# KiCad board s100_ColorMagic-1.1-003.kicad_pcb (continued)
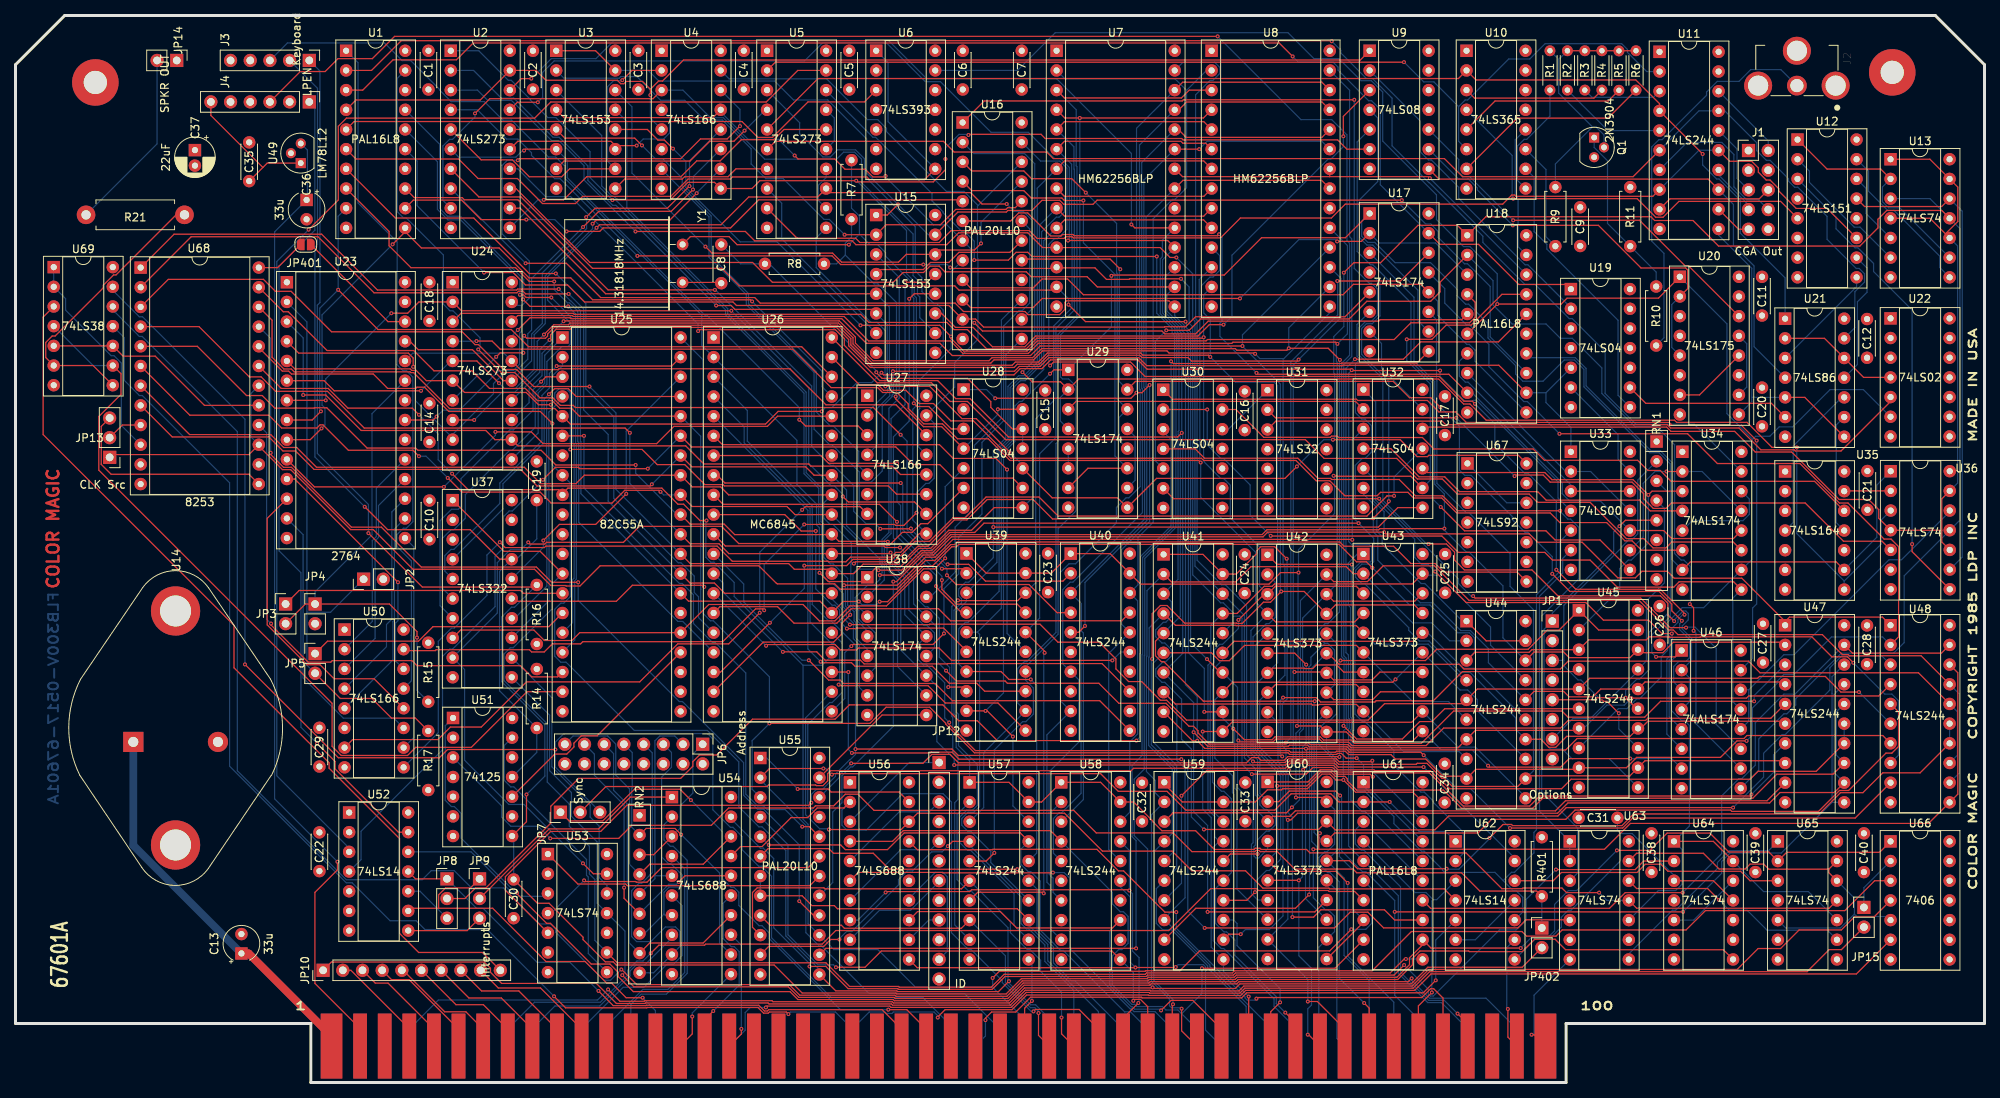
[diagram p0: board, top side]
## Routing (per net, layer and track width the routed paths; a pad name or vN(x,y) marks a point on that pad's centre or on a via; arc(x,y) is an arc through that point) (continued)
MDO10: length 257.3
  Component w0.152: v1(157.75,44.14) 157.93,43.96 162.23,43.96 162.59,44.32 168.21,44.32 168.61,43.92 171.96,43.92 172.4,43.48 181.97,43.48 184.23,45.74 199.31,45.74 200.3,46.73 210.28,46.73 210.56,47.01 226.43,47.01 U47.5 ; U41.14 155.43,52.91 v1(153.7,54.64) ; U7.13 133.89,102.26 121.71,102.26 121.16,102.81 93.36,102.81 91.1,105.07 74.43,105.07 65.22,114.29 59.78,114.29 U2.7 ; v1(135.84,100.39) 138.03,98.2 v1(150.94,98.2)
  Copper w0.152: 161.53,23.55 160.26,23.55 159.43,24.38 159.43,30.74 159.65,30.96 159.65,36.04 157.64,38.05 157.64,44.14 ; U7.13 135.84,101.14 v1(135.84,100.39) ; U41.14 157.64,51 157.64,44.14 ; 157.64,44.14 v1(157.75,44.14) ; v1(153.7,54.64) 151.58,56.77 151.58,96.87 151.05,97.4 151.05,98.09 v1(150.94,98.2)
MDO11: length 264.8
  Component w0.152: v1(157.09,45.67) 158.52,44.24 162.11,44.24 162.47,44.6 168.32,44.6 168.72,44.2 172.29,44.2 172.73,43.76 181.35,43.76 185.52,47.93 199.49,47.93 200.28,47.15 210.16,47.15 212.21,49.2 v1(224.28,49.2) ; U41.12 v1(153.35,47.84) ; U7.15 148.79,100.88 135.58,100.88 135.38,100.69 135.38,99.78 134.7,99.1 130.61,99.1 130.22,99.5 122.29,99.5 121.21,100.58 96.07,100.58 95.35,101.3 75.49,101.3 71.06,105.72 v1(65.81,105.72)
  Copper w0.152: U41.12 155.72,47.04 v1(157.09,45.67) 157.28,45.48 157.28,37.99 157.56,37.7 157.56,24.97 U60.8 ; U7.15 149.54,98.95 150.77,97.72 150.77,97.29 151.3,96.75 151.3,55.48 153.35,53.43 v1(153.35,47.84) ; U47.3 224.28,49.94 v1(224.28,49.2) ; U2.8 65.8,105.72 v1(65.81,105.72)
MDO12: length 279.1
  Component w0.152: U48.9 237.32,34.13 208.61,34.13 207.32,32.84 v1(192.79,32.84) ; U7.16 139.55,102.67 138.23,104 131.02,104 130.39,104.63 119.88,104.63 119.15,105.36 117.96,105.36 117.14,104.54 114.5,104.54 113.24,103.28 97.64,103.28 95.08,105.83 74.1,105.83 64.55,115.38 U2.13 ; U41.9 151.84,44.09 v1(152.44,44.09) 153.42,43.11 166.44,43.11 v1(166.47,43.08) 166.51,43.04 171.65,43.04 172.07,42.62 181.28,42.62 v1(181.66,42.24)
  Copper w0.152: v1(166.47,43.08) 166.56,42.99 166.56,40.07 166.41,39.92 166.41,23.74 U60.13 ; v1(152.44,44.09) 152.44,49.81 150.93,51.32 150.93,96.59 150.47,97.04 150.47,97.62 148.53,99.56 148.53,101.66 U7.16 ; v1(181.66,42.24) 185.94,37.95 187.68,37.95 v1(192.79,32.84)
MDO13: length 298.6
  Component w0.152: v1(88.05,96.98) 88.24,97.16 105.76,97.16 106.92,96.01 106.92,95.14 111.47,90.58 118.97,90.58 121.29,88.26 123.14,88.26 128.09,83.31 149.92,83.31 v1(150.45,83.84) ; v1(151.98,45.21) 153.79,43.39 164.21,43.39 164.35,43.54 166.66,43.54 166.88,43.33 171.76,43.33 172.17,42.92 199.97,42.92 201.45,44.39 222.97,44.39 223.35,44.78 240.87,44.78 U48.7 ; v1(153.78,22.02) 167.61,22.02 169.15,23.55
  Copper w0.152: U7.17 148.25,103.92 148.25,99.44 150.12,97.57 150.12,96.99 150.45,96.67 v1(150.45,83.84) 150.57,83.71 150.57,55.39 U41.7 151.98,49.04 v1(151.98,45.21) 151.98,34.97 153.78,33.16 v1(153.78,22.02) ; v1(88.05,96.98) 88.05,97.89 71.61,114.33 68.39,114.33 64.8,117.92 U2.14
MDO14: length 290.6
  Component w0.152: v1(167.6,49.21) 153.23,49.21 148.13,54.31 147.82,54.31 147.06,55.08 147.06,56.95 U41.5 ; U60.17 170.17,32.2 188.65,32.2 190.42,33.97 199.99,33.97 201.18,35.16 221.23,35.16 221.41,34.99 232.59,34.99 235.29,37.69 236.47,37.69 241.29,42.5 242.04,42.5 242.93,43.39 242.93,47.81 U48.5 ; U7.18 148.63,108.66 v1(135.77,108.66) ; U2.17 64.75,126.51 v1(67.38,126.51)
  Copper w0.152: U7.18 149.54,107.75 147.97,106.18 147.97,99.33 149.84,97.45 149.84,96.88 150.09,96.63 150.09,84.12 149.99,84.03 149.99,83.64 150.26,83.37 150.26,60.15 U41.5 ; v1(67.38,126.51) 68,127.13 68,130.36 69.48,131.84 101.78,131.84 104.11,134.17 112.36,134.17 117.36,129.17 119.31,129.17 125.86,122.62 130.66,122.62 134.05,119.23 134.81,119.23 135.94,118.09 135.94,108.83 v1(135.77,108.66) ; U60.17 168.61,31.17 167.52,32.26 167.52,49.13 v1(167.6,49.21)
MDO15: length 293
  Component w0.152: v1(143.95,110.74) 144.39,110.3 U7.19 ; v1(153.31,32.66) 168.09,32.66 169.15,33.71 170.25,32.61 183.1,32.61 184.89,34.39 198.97,34.39 200.05,35.48 v1(221.57,35.48) ; v1(66.54,129.56) 65.25,129.56 U2.18
  Copper w0.152: v1(143.95,110.74) 143.95,119.9 134.32,129.53 117.56,129.53 112.6,134.49 77.24,134.49 74.88,132.14 69.12,132.14 v1(66.54,129.56) ; U7.19 147.95,108.7 147.95,106.56 147.68,106.29 147.68,99.22 149.56,97.34 149.56,96.76 149.8,96.52 149.8,92.77 149.71,92.67 149.71,83.53 149.97,83.27 149.97,64.94 U41.3 149.11,62.07 149.11,60.12 148.38,59.39 148.06,59.39 147.08,58.41 147.08,57.54 147.9,56.72 148.25,56.72 149.11,55.87 149.11,55.04 148.38,54.31 148.04,54.31 147.09,53.36 147.09,52.45 147.9,51.65 148.26,51.65 150.42,49.48 150.42,44.3 151.69,43.03 151.69,34.28 v1(153.31,32.66) ; v1(221.57,35.48) 225.5,39.41 225.5,42.49 227.92,44.91 228.3,44.91 234.05,50.66 234.05,53.52 235.56,55.03 240.78,55.03 U48.3
MEMCS: length 309.3
  Component w0.152: v1(206.58,29.96) 210.83,29.96 213.06,32.19 218.58,32.19 221.01,29.75 226.17,29.75 U65.2 228.47,29.71 240.47,29.71 U66.1 ; 181.84,18.11 179.83,16.09 179.83,15.21 178.19,13.58 157.6,13.58 157.32,13.3 146.27,13.3 146.09,13.12 129.88,13.12 127.88,11.12 113.6,11.12 113.45,11.27 101.17,11.27 99.8,12.63 80.14,12.63 78.19,14.59 v1(78.15,14.59) ; 181.84,18.11 U61.12 ; 181.84,18.11 182.6,17.35 v1(194.18,17.35)
  Copper w0.152: v1(78.15,14.59) 76.76,13.2 75.89,13.2 69.69,19.4 69.69,19.8 69.03,20.46 67.61,20.46 62.95,25.11 58.82,25.11 56.6,27.34 53.63,27.34 52.46,26.17 42.67,26.17 28.61,40.23 28.61,84.01 16.34,96.28 15.97,96.28 12.55,99.7 U69.12 ; v1(206.58,29.96) 201.39,24.77 200.32,24.77 198.54,22.99 198.54,19.58 197.74,18.77 195.6,18.77 v1(194.18,17.35)
MUX_G: length 20.6
  Component w0.152: U5.7 92.94,117.92 91.92,116.89 86.3,116.89 86.01,116.6 78.59,116.6 77.37,115.38
MUX_I: length 47.7
  Copper w0.152: U15.9 119.68,95.21 119.68,99.69 118.84,100.53 118.47,100.53 116.93,102.07 116.93,103.87 116.07,104.73 116.07,110.45 109.52,117 109.52,119.21 108.36,120.37 106.04,120.37 105.12,119.45 104.15,119.45 101.15,122.45 101.15,123.87 U5.3
MUX_R: length 30.4
  Component w0.152: U3.7 70.76,118.92 87.01,118.92 89.57,121.48 92.68,121.48 v1(94.05,122.85)
  Copper w0.152: v1(94.05,122.85) 96.73,125.53 U5.4
MUXA: length 72.6
  Component w0.152: v1(89,107.88) 89.85,107.03 105.4,107.03 106.57,105.87 113.9,105.87 114.91,106.88 U15.14 119.21,107.44 123.7,107.44 v1(124.55,108.29)
  Copper w0.152: U16.21 124.55,111.03 v1(124.55,108.29) ; 77.37,128.07 79.52,125.93 79.52,117.37 v1(89,107.88)
MUXB: length 71.9
  Component w0.152: v1(106.95,109.42) U15.2 112.31,110.7 119.31,110.7 121.29,112.68 127.76,112.68 127.98,112.9 128.97,112.9 U16.20
  Copper w0.152: v1(106.95,109.42) 104.98,111.39 104.29,111.39 99.03,116.64 96.79,116.64 94.9,118.54 94.9,120.51 91.18,124.22 88.87,124.22 86.33,126.76 83.22,126.76 80.17,129.82 78.08,129.82 77.87,129.61 70.76,129.61 U3.2
MUXBLUE: length 24.5
  Copper w0.152: U15.7 98.84,108.9 98.84,113.49 U5.8
NEW_RESET: length 166.7
  Component w0.152: U5.19 100.91,130.62 96.84,126.54 69.05,126.54 66.97,124.46 42.69,124.46 41.64,123.42 41.64,113.9 v1(37.81,110.07)
  Copper w0.152: v1(37.81,110.07) 33.71,105.96 33.71,39.59 43.04,30.25 U52.3
OVERSCAN_B: length 47.4
  Copper w0.152: U15.3 114,103.9 114,88.34 112.67,87.01 112.67,70.97 111.79,70.09 111.79,67.07 112.07,66.79 112.07,64.86 U38.2
OVERSCAN_G: length 84.2
  Copper w0.152: 77.37,125.53 78.86,124.04 78.86,112.88 91.88,99.86 91.88,99.2 102,89.08 102,78.7 103.92,76.78 103.92,72.38 104.26,72.03 104.26,67.78 105.11,66.93 105.48,66.93 107.34,65.06 107.34,61.59 108.18,60.76 108.18,59.59 108.37,59.4 108.37,57.4 109.88,55.89 U38.5
OVERSCAN_I: length 61
  Component w0.152: v1(114.75,103.28) 117.59,103.28 U15.13
  Copper w0.152: U38.10 113.78,53.68 113.78,64.87 112.35,66.3 112.35,66.9 112.07,67.18 112.07,69.98 112.95,70.85 112.95,85.67 114.75,87.48 v1(114.75,103.28)
OVERSCAN_R: length 95.1
  Copper w0.152: U3.3 75.62,122.21 75.62,115.71 76.96,114.36 77.21,114.36 77.56,114.01 77.56,113.77 91.6,99.72 91.6,99.08 101.71,88.97 101.71,78.58 103.61,76.68 103.61,72.25 103.98,71.88 103.98,67.57 104.21,67.34 104.21,65.35 105.15,64.41 105.46,64.41 106.78,63.08 106.78,61.36 107.17,60.97 107.17,60.21 108.09,59.28 108.09,57.28 108.87,56.51 108.87,50.98 U38.7
PD0: length 291.7
  Component w0.152: U44.18 195.89,55.55 199.71,55.55 200.43,54.84 208.28,54.84 U45.18 209.69,55.47 212.52,55.47 213.86,56.82 227.93,56.82 U47.2 ; v1(184.33,71.49) 176.01,71.49 175.85,71.33 161.43,71.33 160.81,70.71 120.63,70.71 118.28,68.36 116.97,68.36 114.09,65.48 v1(111.5,65.48) ; U25.34 87.26,79.46 101.93,79.46 103.01,78.38 U26.33 ; U68.8 20.22,83.32 32.69,83.32 34.5,81.5 36.13,81.5 38.51,79.12 65.15,79.12 67.28,76.99 81.88,76.99 v1(82.09,77.2)
  Copper w0.152: U38.3 109.88,60.25 108.32,61.81 108.32,62.59 109.9,64.17 110.73,64.17 111.5,64.93 v1(111.5,65.48) 111.79,65.77 111.79,66.67 111.51,66.95 111.51,67.54 107.2,71.84 107.2,76.47 U26.33 ; U17.3 180.41,101.35 180.41,93.12 183.07,90.45 183.07,77.21 184.33,75.96 v1(184.33,71.49) 184.33,71.27 187.13,68.47 187.51,68.47 191.88,64.09 191.88,57.38 U44.18 ; U25.34 v1(82.09,77.2)
PD1: length 293.4
  Component w0.152: U68.7 22.45,83.62 32.92,83.62 34.59,81.95 36.27,81.95 38.83,79.4 65.64,79.4 67.76,77.29 72.29,77.29 73.38,78.38 U25.33 87.3,76.87 90.96,76.87 92,75.84 U26.32 ; U47.4 227.99,51.69 210.21,51.69 U45.16 204.49,50.78 203.49,49.77 200.41,49.77 199.71,50.47 195.89,50.47 U44.16 ; v1(177.15,75.02) 177.15,74.82 v1(175.15,72.82) 175.06,72.73 133.77,72.73 131.27,75.24 125.35,75.24 122.72,72.61 121.11,72.61 117.7,69.2 116.41,69.2 114.72,67.52 113.65,67.52 113.34,67.21 108.39,67.21 v1(108.15,66.97)
  Copper w0.152: U17.4 176.02,103.2 176.02,98.93 175.01,97.92 174.26,97.92 173.64,97.31 173.64,93.99 177.15,90.48 v1(177.15,75.02) ; 107.83,66.97 107.76,66.9 107.76,61.58 108.46,60.88 108.46,59.71 109.88,58.29 U38.4 ; 107.83,66.97 v1(108.15,66.97) ; 107.83,66.97 107.83,69.65 105.45,72.03 105.08,72.03 104.26,72.85 104.26,74.79 U26.32 ; v1(175.15,72.82) 175.15,71.06 175.74,70.48 175.74,67.41 181.23,61.91 182.85,61.91 186.44,58.32 187.69,58.32 190,56.01 190,54.18 U44.16
PD2: length 297.4
  Component w0.152: v1(52.04,80.83) 51.28,81.6 42.94,81.6 39.66,84.87 39.28,84.87 38.88,84.47 34.33,84.47 32.68,86.12 22.5,86.12 U68.6 ; U25.32 87.3,74.34 99.51,74.34 100.55,73.3 U26.31 ; U47.6 227.97,46.62 210.58,46.62 209.65,45.7 U45.14 208.28,44.68 200.1,44.68 198.69,43.26 197.81,43.26 196.77,44.3 U44.14 ; v1(55.76,78.03) 57.59,76.19 67.68,76.19 69.09,74.78 76.95,74.78 78.59,76.43 83.01,76.43 v1(83.2,76.24) ; v1(111.33,66.12) 114.32,66.12 116.84,68.64 118.17,68.64 120.51,70.99 123.74,70.99 124.94,72.19 v1(173.26,72.19)
  Copper w0.152: v1(55.76,78.03) 52.96,80.83 v1(52.04,80.83) ; 108.61,66.25 108.61,69.98 U26.31 ; 108.61,66.25 108.04,65.68 108.04,61.7 108.79,60.95 108.79,59.78 109.47,59.1 109.83,59.1 110.92,58.01 110.92,53.55 U38.6 ; 108.61,66.25 111.2,66.25 v1(111.33,66.12) ; U25.32 83.6,75.84 v1(83.2,76.24) ; U17.6 173.05,97.82 173.05,93.74 173.25,93.53 173.25,93.16 172.85,92.76 172.85,86.45 173.68,85.62 174.07,85.62 174.92,84.77 174.92,81.37 174.09,80.54 173.71,80.54 172.83,79.65 172.83,72.61 v1(173.26,72.19) 175.2,70.24 175.2,67.21 174.9,66.9 173.67,66.9 172.87,66.1 172.87,65.2 173.67,64.39 174.03,64.39 179.73,58.7 179.73,58.35 181.1,56.98 182.34,56.98 186.38,52.94 187.64,52.94 193.53,47.05 193.53,45.57 U44.14
PD3: length 316.8
  Component w0.152: U47.8 227.99,41.53 210.21,41.53 U45.12 208.26,39.58 195.16,39.58 U44.12 193.79,38.21 185.35,38.21 184.31,39.25 184.02,39.25 182.08,41.19 180.82,41.19 180.69,41.07 170.68,41.07 170.25,41.5 164.36,41.5 163.84,40.97 v1(121.09,40.97) ; U68.5 23.45,95.01 29.8,88.66 31.82,88.66 33.45,87.03 38.52,87.03 38.57,87.08 40.15,87.08 45.36,81.88 51.62,81.88 51.9,81.6 67.8,81.6 69.7,79.7 v1(80,79.7) ; v1(112.53,69.79) 112.48,69.84 106.21,69.84 U26.30 105.26,70.71 92.77,70.71 91.42,72.07 87.03,72.07 U25.31
  Copper w0.152: v1(80,79.7) 80,78.63 85.33,73.3 U25.31 ; v1(112.53,69.79) 112.42,69.68 112.42,67.37 112.82,66.97 112.82,66.23 114.2,64.85 114.2,55.8 U38.11 118.85,51.15 118.85,43.99 121.09,41.76 v1(121.09,40.97) ; U44.12 195.82,40.24 195.82,61.02 192.8,64.04 192.8,68.24 187.49,73.55 187.14,73.55 183.36,77.33 183.36,90.57 183.31,90.62 183.31,98.45 U17.11
PD4: length 365.1
  Component w0.152: U48.2 242.92,57.51 242.92,69.16 241.94,70.13 241.05,70.13 236.39,74.79 235.29,74.79 230.19,79.89 219.54,79.89 215.7,83.73 v1(199.17,83.73) ; v1(120.44,46.46) 120.44,46.21 123.83,42.83 164.27,42.83 164.48,42.62 170.3,42.62 170.43,42.76 171.54,42.76 171.97,42.32 177.43,42.32 178.01,41.74 181.93,41.74 184.14,39.53 186.87,39.53 U44.9 188.38,40.42 201.48,40.42 U45.9 207.79,40.62 209.13,41.96 219.94,41.96 222.07,44.09 v1(223.31,44.09) ; v1(79.25,83.84) 78.64,84.46 44.99,84.46 40.25,89.2 33.55,89.2 31.68,91.07 30.15,91.07 23.67,97.55 U68.4 ; v1(112.88,68.39) 112.75,68.26 105.3,68.26 ; U25.30 87.03,69.53 90.75,69.53 92.02,68.26 105.3,68.26 ; 105.3,68.26 U26.29
  Copper w0.152: U17.13 184.37,102.46 184.37,100.59 187.15,97.81 187.53,97.81 190.07,95.28 190.07,92.39 194.57,87.88 195.02,87.88 v1(199.17,83.73) ; U25.30 79.25,77.3 v1(79.25,83.84) ; v1(223.31,44.09) 224.06,44.83 224.06,48.32 227.26,51.53 227.26,51.8 228.12,52.66 229.42,52.66 234.26,57.5 240.85,57.5 U48.2 ; v1(112.88,68.39) 113.12,68.16 113.12,66.73 114.71,65.13 114.71,60.37 U38.13 116.45,56.53 116.45,54.58 117.12,53.9 117.55,53.9 119.87,51.59 119.87,47.04 v1(120.44,46.46)
PD5: length 343
  Component w0.152: U45.7 201.42,45.44 188.32,45.44 U44.7 186.08,43.2 172.29,43.2 171.88,43.61 167.03,43.61 166.82,43.82 163.88,43.82 ; 163.88,43.82 163.74,43.68 153.99,43.68 152.54,45.12 152.54,45.4 151.96,45.98 151.38,45.98 148.42,48.94 142.33,48.94 139.75,51.52 127.96,51.52 127.66,51.82 121.37,51.82 v1(120.04,53.15) ; 163.88,43.82 v1(163.88,43.86) ; U68.3 19.7,103.65 31.99,103.65 33.53,102.11 35.55,102.11 40.77,96.88 57.62,96.88 59.28,95.23 59.72,95.23 62.93,92.02 64.64,92.02 66.85,89.82 v1(74.04,89.82) ; U17.14 178.67,103.44 v1(170.51,103.44) ; U48.4 240.38,49.89 223.59,49.89 223.3,49.61 v1(208.43,49.61) ; U25.29 87.05,66.97 99.74,66.97 100.47,66.24 104.74,66.24 U26.28 108.13,65.67 109.34,66.89 113.72,66.89 v1(113.86,67.03)
  Copper w0.152: v1(170.51,103.44) 170.57,103.39 170.57,99.06 164.52,93.01 164.52,44.49 v1(163.88,43.86) ; v1(208.43,49.61) 207.53,48.71 205.3,48.71 202.29,45.7 U45.7 ; v1(74.04,89.82) 77.46,86.4 77.46,76.55 U25.29 ; v1(120.04,53.15) 118.86,54.33 118.86,58.76 U38.14 115.86,61.77 115.86,65.04 v1(113.86,67.03)
PD6: length 273.8
  Component w0.152: U25.28 87.02,64.45 90.16,64.45 91.48,63.14 U26.27 ; U68.2 22.67,109.15 39.02,109.15 46.26,101.92 64.69,101.92 64.89,102.12 65.48,102.12 65.82,101.77 v1(71.36,101.77) ; v1(107.63,59.09) 117.89,59.09 117.94,59.15 132.16,59.15 134.48,56.83 139.79,56.83 141.95,54.66 141.95,53.38 143.59,51.75 145.27,51.75 147.68,49.33 148.5,49.33 151.06,46.77 174.49,46.77 176.61,48.89 186.69,48.89 U44.5 188.58,50.78 U45.5 203.07,52.17 224.74,52.17 224.97,52.4 233.47,52.4 235.48,50.39 v1(237.81,50.39)
  Copper w0.152: v1(107.63,59.09) 106.72,60.01 106.72,61 105.3,62.41 U26.27 ; v1(71.36,101.77) 73.29,99.84 73.29,86.8 76.45,83.64 76.45,75.02 U25.28 ; U48.6 v1(237.81,50.39)
PD7: length 289.3
  Component w0.152: v1(70.07,102.4) 64.77,102.4 64.65,102.27 46.69,102.27 39.49,109.48 20.45,109.48 U68.1 ; v1(108.78,62.08) 106.79,62.08 U26.26 103.77,62.12 86.81,62.12 U25.27 ; v1(111.47,62.05) 112.5,62.05 117.12,66.67 118.3,66.67 120.77,69.14 121.38,69.14 121.68,69.44 170.75,69.44 172.99,67.2 174.26,67.2 v1(175.03,66.43) ; v1(237.09,54.17) 236.32,54.94 234.31,54.94 231.72,57.52 217.35,57.52 217.28,57.46 213.41,57.46 213.34,57.52 210.76,57.52 210.36,57.12 202.94,57.12 U45.3 195.61,55.86 195.27,55.52 188.24,55.52 U44.3
  Copper w0.152: v1(111.47,62.05) 111.07,61.66 109.2,61.66 v1(108.78,62.08) ; U44.3 188.21,55.49 188.21,57.39 187.56,58.04 186.06,58.04 182.47,61.62 179.84,61.62 v1(175.03,66.43) ; U48.8 242.9,42.25 242.9,49.27 242.04,50.12 241.13,50.12 v1(237.09,54.17) ; v1(70.07,102.4) 71.57,100.9 71.6,100.9 72.87,99.63 72.87,82.76 72.94,82.7 72.94,76 U25.27
pDBIN: length 150.8
  Component w0.152: v1(177.27,36.21) U61.2 170.72,36.21 169.67,37.26 164.56,37.26 162.45,35.15 150.97,35.15 148.54,37.58 142.26,37.58 139.97,39.86 105.43,39.86 v1(105.31,39.74) ; U55.2 97.26,40.52 v1(104.22,40.52)
  Copper w0.152: v1(104.22,40.52) 104.53,40.52 v1(105.31,39.74) ; U55.2 96.08,39.08 101.96,33.2 101.96,19.34 103.56,17.74 103.86,17.74 110.11,11.5 122.4,11.5 127,6.9 P1.78 ; U62.1 184.5,32.4 181.08,32.4 v1(177.27,36.21)
PHI: length 74.4
  Component w0.152: JP8.1 51.6,26.28 U52.11 ; v1(75.2,11.82) 77.11,9.92 81.32,9.92 81.37,9.97 95.88,9.97 96.61,9.23 96.99,9.23 97.16,9.4 111.8,9.4 114.3,6.89 P1.24
  Copper w0.152: JP8.1 59.47,22.47 60.32,22.47 67.29,15.51 71.52,15.51 v1(75.2,11.82)
POC*: length 168.5
  Component w0.152: v1(180.1,13.44) 179.67,13.01 157.84,13.01 157.56,12.73 146.5,12.73 146.32,12.56 130.11,12.56 128.11,10.55 113.37,10.55 113.22,10.7 100.93,10.7 99.91,11.73 79.69,11.73 77.75,13.67 77.75,14.21 76.68,15.28 74.27,15.28 69.01,20.54 68.51,20.54 64.71,24.35 v1(64.71,24.49)
  Copper w0.152: U51.1 55.43,46.04 55.43,36.42 56.23,35.62 56.6,35.62 57.48,34.73 57.48,31.54 64.54,24.49 v1(64.71,24.49) ; v1(180.1,13.44) 180.1,13.44 180.1,13.18 182.4,10.88 189.7,10.88 193.68,6.9 P1.99
PORTC2: length 77.7
  Component w0.152: v1(69.12,101.32) 65.88,101.32 65.54,101.66 v1(65.08,101.66)
  Copper w0.152: v1(69.12,101.32) 71.91,98.53 71.91,82.48 72.06,82.32 72.06,65.09 71.83,64.85 71.83,64.23 71.85,64.2 71.85,59.35 U25.16 ; v1(65.08,101.66) 65.08,103.68 57.43,111.33 55.79,111.33 54.43,112.69 54.43,118.84 U1.16
PORTC3: length 83.9
  Component w0.152: v1(71.3,100.16) 66.38,100.16 v1(65.47,101.07)
  Copper w0.152: U25.17 72.14,57.09 72.14,64.32 72.11,64.35 72.11,64.73 72.35,64.97 72.35,82.43 72.25,82.53 72.25,99.21 v1(71.3,100.16) ; v1(65.47,101.07) 65.56,101.15 65.56,103.63 57.38,111.8 55.71,111.8 54.71,112.8 54.71,121.1 U1.17
PRDY: length 299.9
  Component w0.152: v1(118.97,8.38) 118.97,8.45 119.92,9.4 128.55,9.4 130.44,11.29 146.11,11.29 146.17,11.23 158.04,11.23 158.69,11.89 180.47,11.89 182.6,14.01 237.47,14.01 241.88,18.42 ; v1(99.7,8.83) 99.44,9.1 97.25,9.1 97.11,8.95 96.5,8.95 95.76,9.69 81.49,9.69 81.44,9.64 70.96,9.64 v1(69.47,11.12)
  Copper w0.152: U69.11 14.03,96.13 14.03,90.61 15.98,88.66 16.35,88.66 27.62,77.39 27.62,40.82 42.66,25.78 43.42,25.78 48.32,20.88 51.69,20.88 52.82,19.74 60.85,19.74 v1(69.47,11.12) ; v1(99.7,8.83) 99.97,9.1 105.78,9.1 107.95,6.92 ; P1.72 107.95,6.92 ; 107.95,6.92 110.13,9.1 112.15,9.1 112.34,8.91 113.06,8.91 113.24,9.1 118.49,9.1 118.97,8.62 v1(118.97,8.38)
pSTVAL: length 69.3
  Component w0.152: P1.25 117.48,6.9 114.97,9.4 v1(112.59,9.4) ; v1(87.13,36.44) 85.72,37.85 79.84,37.85 75.75,33.76 71.42,33.76 JP7.1
  Copper w0.152: v1(87.13,36.44) 91.16,32.41 91.16,26.35 92.32,25.18 92.69,25.18 93.31,24.56 93.31,22.85 95.91,20.24 96.3,20.24 97.25,19.29 97.25,18.56 106.41,9.4 v1(112.59,9.4)
pSYNC: length 193.7
  Component w0.152: v1(69.65,42.97) 55.73,42.97 54.67,41.91 41.65,41.91 v1(29.6,53.96)
  Copper w0.152: P1.76 120.65,7.36 117.06,10.95 105.26,10.95 97.53,18.68 97.53,19.85 97.53,19.85 97.53,26.62 96.23,27.91 95.87,27.91 93.74,30.04 93.74,31.74 92.55,32.93 92.22,32.93 89.95,35.2 89.95,44.34 89.26,45.03 70.74,45.03 69.65,43.94 v1(69.65,42.97) 69.65,40.69 75.38,34.95 JP7.3 ; v1(29.6,53.96) 29.6,85.61 16.39,98.82 15.97,98.82 12.55,102.24 U69.13
pWR*: length 73.2
  Component w0.152: v1(125.12,8.05) 125.12,8.31 125.91,9.1 129.04,9.1 130.95,11.01 145.24,11.01 145.32,10.92 158.17,10.92 158.83,11.58 181.6,11.58 v1(183.21,13.19)
  Copper w0.152: U62.5 183.21,18.39 v1(183.21,13.19) ; P1.77 125.12,6 v1(125.12,8.05)
Q2: length 2.5
  Copper w0.152: U29.6 U29.5
Q3: length 62.2
  Component w0.152: v1(137.76,113.83) 135.3,113.83 134.98,114.15 131.03,114.15 130.07,115.1 123.35,115.1 122.18,116.28 U16.4 ; U29.11 138.34,79.27 U29.7
  Copper w0.152: U29.11 141.83,80.86 141.83,104.3 137.76,108.37 v1(137.76,113.83)
Q4: length 8.5
  Copper w0.152: U29.13 144.43,83.34 144.43,77.74 U29.10
Q5: length 53.7
  Component w0.152: v1(138.06,114.84) 136.26,116.64 131.07,116.64 130.07,117.64 123.35,117.64 U16.3
  Copper w0.152: U29.12 142.36,82.87 142.36,85.83 U29.14 142.11,88.2 142.11,104.41 142.04,104.48 142.04,110.86 v1(138.06,114.84)
Q6: length 130.8
  Component w0.152: v1(198.24,65.65) 200.52,63.37 212.03,63.37 213.66,61.74 213.66,60.88 v1(214.96,59.59) ; U16.17 129.96,106.27 141.2,106.27 v1(142.52,104.96) ; 143.42,89.43 144.47,90.48 177.73,90.48 179.83,88.38 182.57,88.38 v1(183.81,87.14)
  Copper w0.152: U46.3 213.91,51.7 213.91,53.69 214.55,54.34 215.48,54.34 215.94,54.8 215.94,57.2 214.67,58.46 214.67,59.21 214.96,59.5 v1(214.96,59.59) ; v1(183.81,87.14) 186.26,84.69 186.26,79.04 186.94,78.36 187.78,78.36 193.07,73.06 193.07,72.66 194.73,71 195.09,71 198.24,67.86 v1(198.24,65.65) ; v1(142.52,104.96) 142.39,104.83 142.39,90.46 143.42,89.43
Q7: length 170.2
  Component w0.152: v1(172.7,126.83) 150.66,126.83 150.51,126.68 124.96,126.68 U16.1 ; v1(213.96,59.55) 213.14,60.37 213.14,61.86 212.2,62.81 198.96,62.81 195.62,66.15 186.9,66.15 185.64,67.42 185.64,68.45 184.59,69.5 v1(182.29,69.5)
  Copper w0.152: v1(182.29,69.5) 182.02,69.5 176.38,75.14 176.38,90.8 173.33,93.86 173.33,97.4 174.14,98.2 174.88,98.2 175.7,99.02 175.7,102.4 174.96,103.14 174.64,103.14 172.7,105.08 v1(172.7,126.83) ; U46.4 215.94,49.15 215.94,52.21 U46.2 216.22,54.51 216.22,57.31 215.01,58.52 215.01,58.93 215.79,59.71 215.79,60.54 215.47,60.86 215.13,60.86 213.96,59.69 v1(213.96,59.55)
Q8: length 74.8
  Component w0.152: v1(183.14,65.94) 187.13,61.95 202.56,61.95 204.84,59.67 210.66,59.67 212.39,57.94 v1(213.66,57.94)
  Copper w0.152: v1(183.14,65.94) 182.24,66.84 181.41,66.84 180.49,67.75 180.49,70.12 175.46,75.15 175.46,87.85 U32.1 ; U46.5 213.32,47.21 213.32,54.55 213.73,54.95 213.73,57.88 v1(213.66,57.94)
R: length 154.7
  Component w0.152: v1(217.64,119.83) U11.4 212.08,126.33 209.02,129.39 188.41,129.39 U10.2 186.13,129.57 103.52,129.57 U5.5
  Copper w0.152: v1(217.64,119.83) 217.64,118.41 219.45,116.6 219.76,116.6 222.5,113.86 222.5,109.62 228.28,103.84 U21.1
R_OUT: length 9.3
  Copper w0.152: U11.16 222.07,120.48 222.07,116.69 J1.5
RA0: length 100.9
  Component w0.152: v1(39.4,86.62) 38.27,85.5 U23.8 ; U26.38 101.42,94.96 66.18,94.96 63.96,97.18 46.75,97.18 v1(41.63,102.3)
  Copper w0.152: v1(39.4,86.62) 39.25,86.77 39.25,99.92 v1(41.63,102.3) 41.63,111.81 U1.9
RA1: length 100.7
  Component w0.152: 50.27,109.79 U1.11 ; 50.27,109.79 v1(48.65,108.17) ; 50.27,109.79 52.36,107.71 62.38,107.71 66.24,103.84 71.62,103.84 74.45,101.02 94.81,101.02 v1(95.02,100.81) ; v1(39.47,84.41) 38.02,82.96 U23.9
  Copper w0.152: v1(39.47,84.41) 39.91,84.86 39.91,87.04 39.54,87.42 39.54,99.07 v1(48.65,108.17) ; v1(95.02,100.81) 104.04,91.79 104.04,89.8 U26.37
RA2: length 77.1
  Component w0.152: U23.10 38.56,76.87 v1(55.26,76.87) ; v1(61.91,83.97) 66.54,83.97 68.06,82.45 82.71,82.45 84.94,84.68 96.99,84.68 98.3,86 U26.36
  Copper w0.152: v1(61.91,83.97) 61.91,83.52 v1(55.26,76.87)
RESET: length 128.5
  Component w0.152: U28.9 128.65,78 120.97,78 119.23,79.74 115.84,79.74 113.56,82.03 87.23,82.03 U25.35 ; v1(81.57,79.22) 72.78,79.22 72.61,79.4 69.65,79.4 v1(68.04,77.79)
  Copper w0.152: U25.35 v1(81.57,79.22) ; v1(68.04,77.79) 68.04,77.71 64.08,73.76 63.68,73.76 62.94,73.02 62.94,69 61.87,67.93 61.87,61.42 56.38,55.93 56.02,55.93 55.09,54.99 55.09,42.94 44.58,32.43 44.58,28.76 U52.4
SELBLUE: length 20.6